# Altium PCB BGA_faser_v2.PcbDoc (part 3 of 5)
Units mil, origin at the board's own origin, x right, y up, seen from the top; angles counter-clockwise.
Board outline 2637.8 x 3937.01 mil, 6 copper layers (Top Layer, GND1, Layer 3, PWR, GND2, Bottom Layer), stack 32.112 mil thick; 367 components, 429 nets, 2041 pads, 1008 vias.
Unrouted connection lines stored in the file: 107.
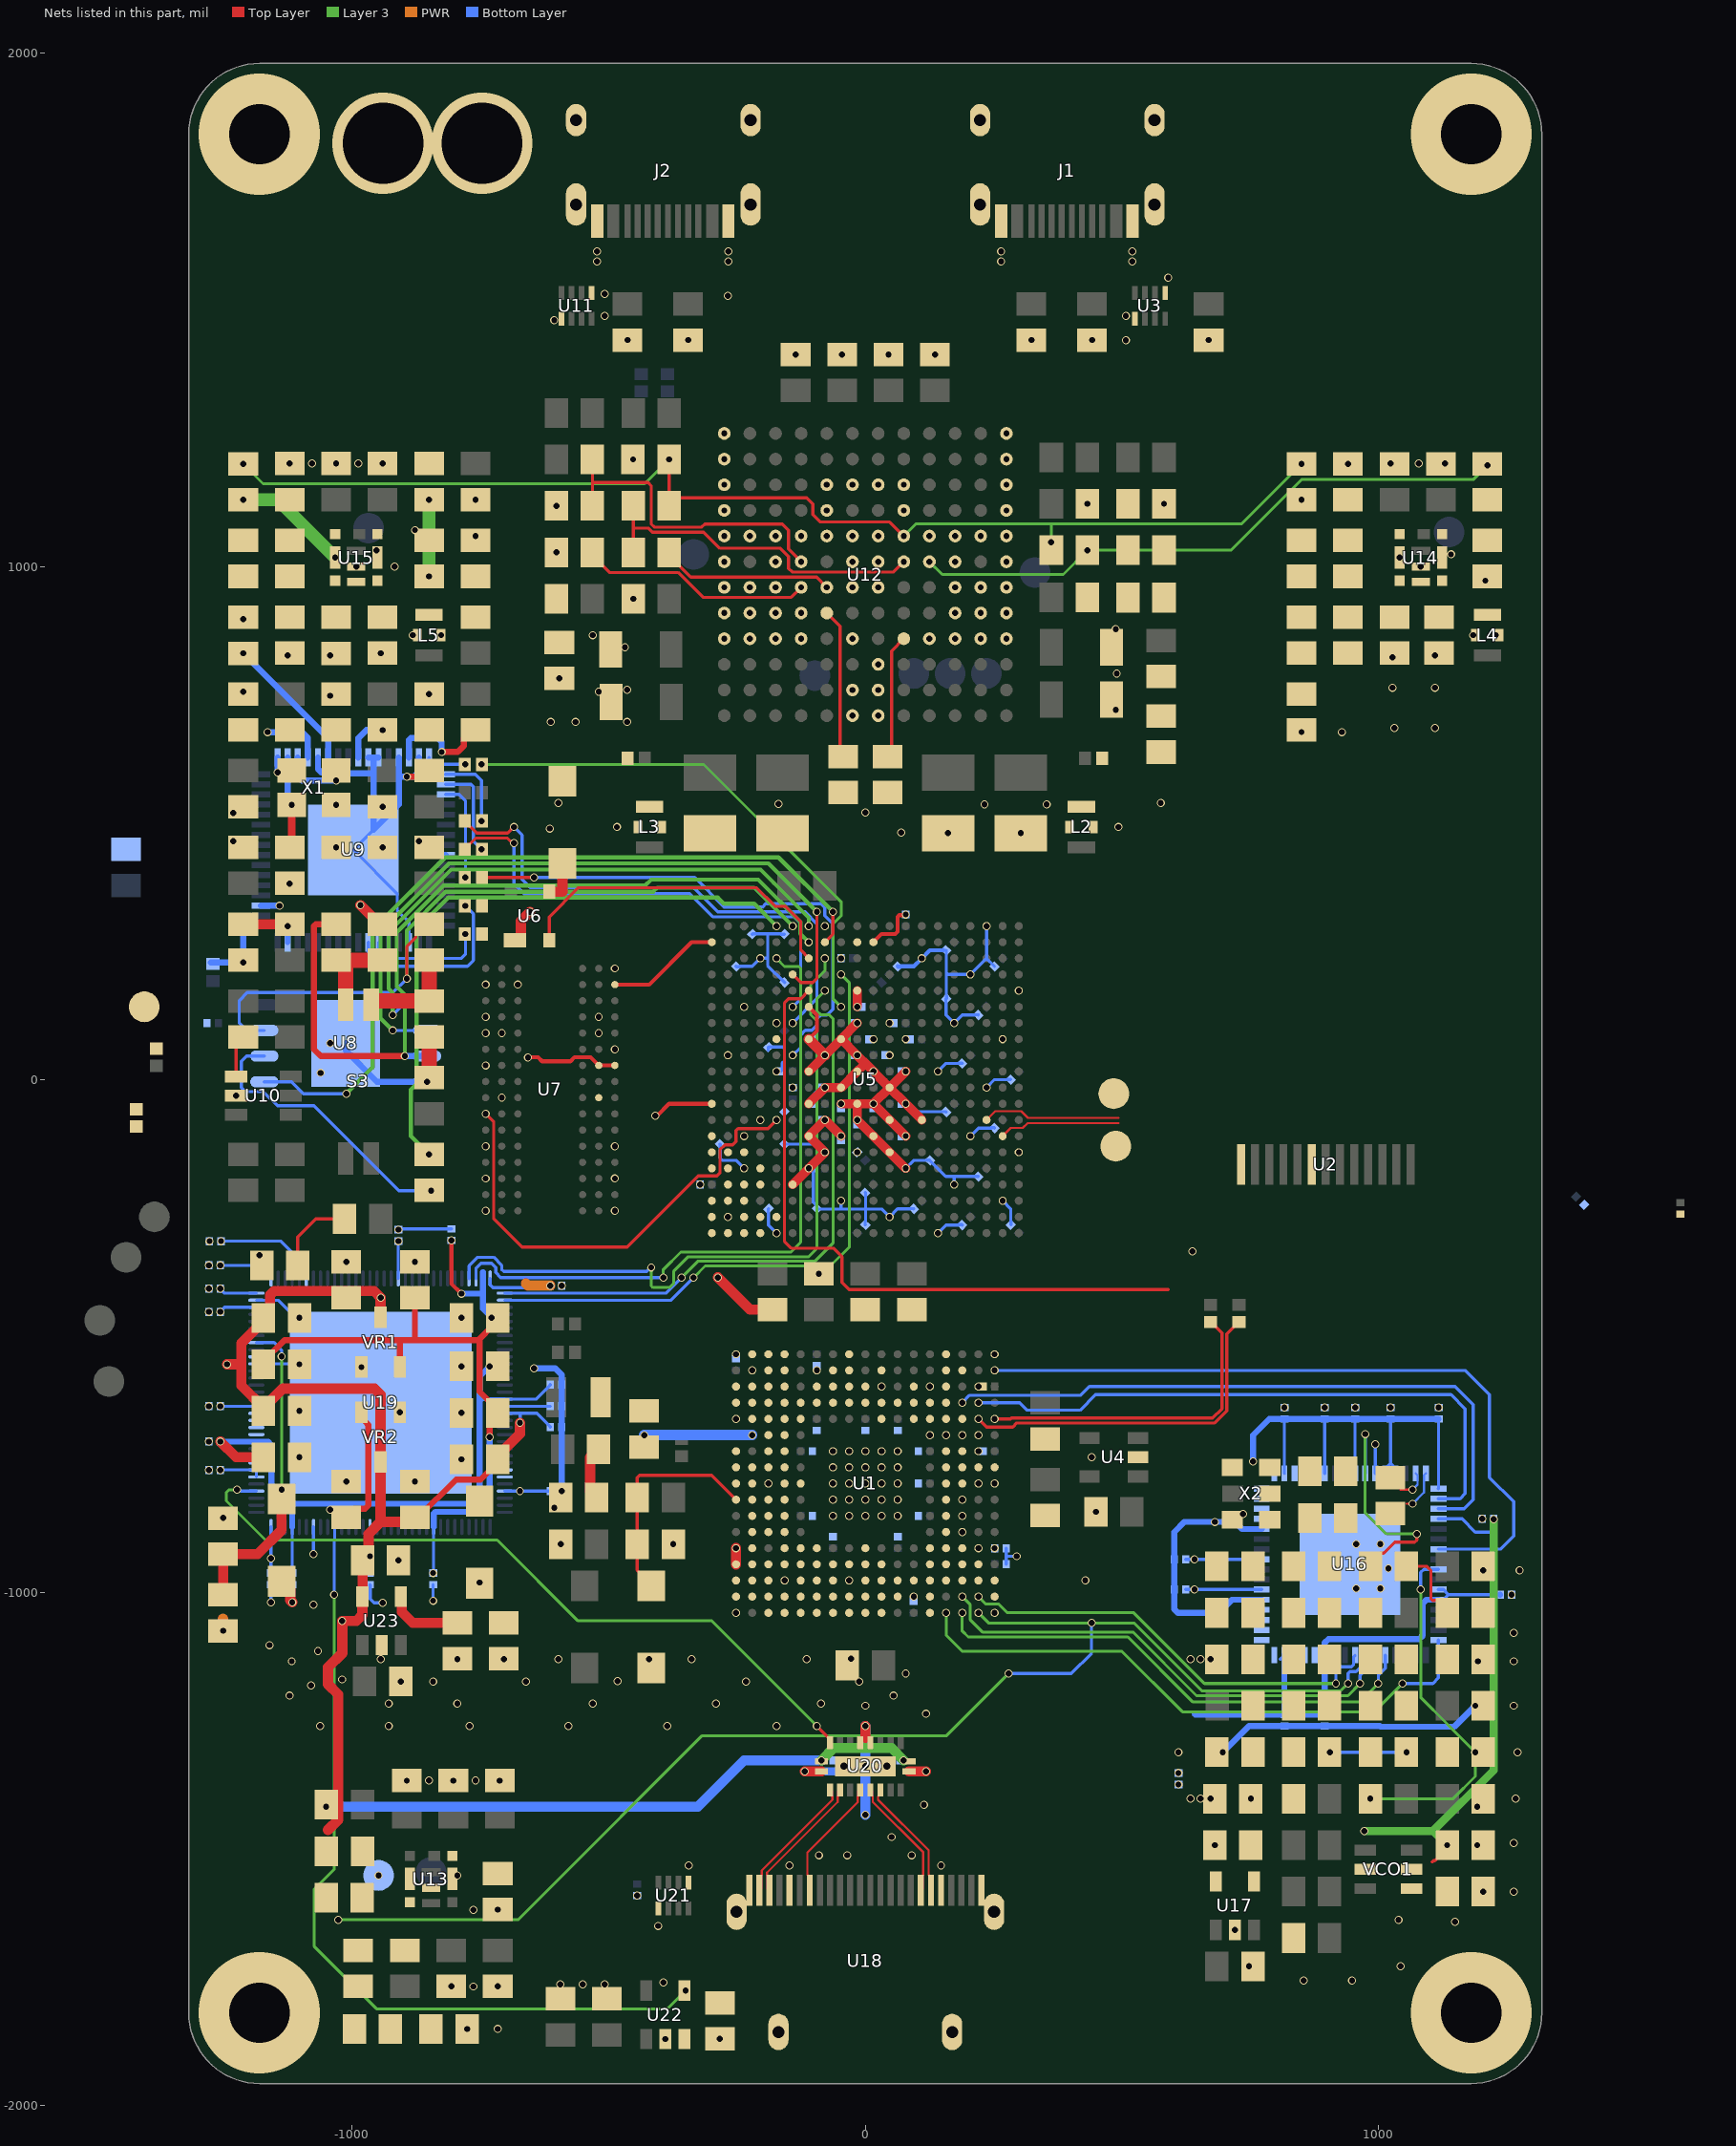
[diagram p7: the nets of this part, all layers, seen from the top]

## Via types
v1: diameter 15.75, hole 11.81, Top Layer to Bottom Layer, 1000 vias
v2: diameter 236.22, hole 118.11, Top Layer to Bottom Layer, 4 vias
v3: diameter 20, hole 14, Top Layer to Bottom Layer, tented both sides, 2 vias
v4: diameter 196.85, hole 157.48, Top Layer to Bottom Layer, 2 vias

## Nets (pads, with @x,y where several pads share a name; then routed paths per layer and width w, separated by ;. In a path a pad name is that pad's centre, name@x,y a point inside that pad or via, vN(x,y) a via of type N, cw(c..) or ccw(c..) an arc to the next point about the centre after c; other vN are vias at no path point) (continued)
GND: C1.1 C2.1 C3.1 C4.1 C5.1 C6.1 C7.1 C8.1 C9.1 C10.1 C11.1 C12.1 C13.1 C14.1 C15.1 C16.1 C19.2 C20.2 C21.2 C22.1 C23.2 C24.2 C25.2 C26.1 C27.1 C28.1 C29.1 C30.1 C31.1 C32.1 C33.1 C34.1 C35.1 C36.1 C37.1 C38.1 C39.1 C40.1 C41.1 C42.1 C43.1 C44.1 C45.1 C46.1 C47.1 C48.1 C49.1 C50.1 C51.1 C52.1 C53.1 C54.1 C55.1 C56.1 C57.1 C58.1 C59.1 C60.1 C61.1 C62.1 C63.1 C64.1 C65.1 C66.1 C67.1 C68.1 C69.1 C70.1 C71.1 C72.1 C73.1 C74.1 C75.1 C76.1 C77.1 C79.1 C80.1 C81.1 C82.1 C83.1 C84.1 C85.1 C86.1 C87.1 C88.2 C89.2 C90.1 C91.1 C92.1 C93.1 C94.1 C95.1 C96.2 C97.1 C98.2 C99.1 C100.1 C101.1 C102.1 C103.1 C104.2 C105.1 C106.1 C107.1 C108.1 C109.1 C110.1 C111.2 C112.1 C113.2 C114.1 C115.2 C116.1 C117.1 C118.1 C119.1 C120.1 C121.1 C122.1 C123.1 C124.1 C125.1 C126.1 C127.1 C128.1 C129.1 C130.1 C131.2 C132.1 C133.2 C134.1 C135.1 C136.1 C137.2 C138.1 C139.1 C140.2 C141.1 C142.1 C143.1 C144.1 C150.1 C152.1 C153.1 C154.2 C155.1 C156.2 C157.1 C158.2 C159.2 C160.1 C161.2 C162.1 C163.2 C164.2 C165.1 C166.1 C167.1 C168.2 C169.2 C170.2 C171.2 C172.1 C173.2 C174.2 C175.1 C176.1 C177.1 C178.1 C179.1 C180.1 C181.1 C182.1 C183.1 C184.1 C185.1 C186.2 C187.1 C188.1 C189.1 C190.1 FB1.2 J1.0 J1.1 J1.12 J2.0 J2.1 J2.12 L2.2 L3.2 L4.2 L5.2 L6.1 R2.1 R5.2 R6.2 R8.1 R13.1 R19.1 R20.1 R22.1 R24.1 R25.1 R28.1 R41.1 R43.1 R47.2 R48.2 R49.1 R53.1 R59.2 R60.2 R66.1 R70.2 R71.1 R73.1 R78.1 R81.2 R86.2 R93.2 R94.2 R108.1 R110.1 R112.1 R113.1 S1.1 S4.1 S5.1 U1.A1 U1.A17 U1.B2 U1.B6 U1.C10 U1.C13 U1.C16 U1.G7 U1.G8 U1.G9 U1.G10 U1.G11 U1.G16 U1.H7 U1.H8 U1.H9 U1.H10 U1.H11 U1.J3 U1.J7 U1.J8 U1.J9 U1.J10 U1.J11 U1.J16 U1.J17 U1.K7 U1.K8 U1.K9 U1.K10 U1.K11 U1.K15 U1.L7 U1.L8 U1.L9 U1.L10 U1.L11 U1.L15 U1.M15 U1.N1 U1.N16 U1.P1 U1.R4 U1.R8 U1.T12 U1.U1 U1.U17 U2.8 U2.13 U3.1 U3.5 U4.2 U5.A8 U5.A18 U5.B1 U5.B11 U5.C4 U5.C9 U5.C14 U5.D17 U5.E10 U5.E20 U5.F3 U5.F7 U5.F10 U5.G10 U5.G12 U5.G16 U5.H7 U5.H9 U5.H11 U5.H13 U5.H19 U5.J2 U5.J8 U5.J10 U5.J12 U5.K5 U5.K7 U5.K10 U5.K11 U5.K13 U5.K15 U5.L8 U5.L9 U5.L12 U5.L18 U5.M1 U5.M7 U5.M9 U5.M10 U5.M11 U5.M13 U5.N4 U5.N8 U5.N10 U5.N12 U5.N14 U5.P7 U5.P9 U5.P11 U5.P13 U5.P17 U5.R8 U5.R12 U5.R20 U5.T3 U5.T7 U5.T13 U5.U6 U5.U16 U5.V9 U5.V19 U5.W2 U5.W12 U5.Y5 U5.Y15 U6.1 U7.A9 U7.B1 U7.B3 U7.B9 U7.D1 U7.D8 U7.E1 U7.E2 U7.E8 U7.F9 U7.G1 U7.G8 U7.G9 U7.J2 U7.J8 U7.M1 U7.M9 U7.P1 U7.P9 U7.T1 U7.T9 U8.4 U8.9 U9.1 U9.5 U9.10 U9.11 U9.13 U9.15 U9.25 U9.35 U9.47 U9.51 U9.65 U10.2 U11.1 U11.5 U12.A6 U12.A7 U12.B6 U12.B7 U12.C7 U12.D1 U12.D2 U12.D3 U12.D4 U12.D6 U12.D9 U12.D10 U12.D11 U12.D12 U12.E1 U12.E2 U12.E3 U12.E4 U12.E10 U12.E11 U12.E12 U12.F1 U12.F2 U12.F3 U12.F6 U12.F7 U12.F10 U12.F11 U12.F12 U12.G1 U12.G3 U12.G6 U12.G7 U12.G10 U12.G12 U12.H1 U12.H2 U12.H3 U12.H4 U12.H5 U12.H6 U12.H7 U12.H9 U12.H10 U12.H11 U12.H12 U12.J1 U12.J5 U12.J8 U12.J12 U12.K1 U12.K5 U12.K6 U12.K7 U12.K8 U12.K12 U12.L1 U12.L12 U12.M1 U12.M12 U13.6 U13.10 U14.6 U14.10 U15.6 U15.10 U16.37 U16.44 U16.59 U16.65 U17.2 U18.0 U18.A1 U18.A12 U18.B1 U18.B12 U19.0 U19.22 U19.31 U19.122 U20.0 U20.4 U20.5 U20.10 U20.19 U21.1 U21.5 U22.2 U23.2 VCO1.2 VR1.1 VR2.1 X1.2 X1.4 X2.3 | length 7998.4
  Top Layer w6.16: C85.1@-869.69,582.68 C85.1@-850.39,601.97 ; J2.0@-563.78,1705.51 J2.0@-560.7,1702.43 ; J2.0@-226.7,1702.43 J2.0@-223.62,1705.51 ; J1.0@223.62,1705.51 J1.0@226.7,1702.43 ; J1.0@560.7,1702.43 J1.0@563.78,1705.51
  Top Layer w8: v1(-657.48,43.31) -637.8,43.31 -629.92,35.43 -574.8,35.43 -566.93,43.31 -535.44,43.31 U7.G8@-519.68,27.55 U7.G9@-488.19,27.55 ; U7.B9@-488.19,185.03 -421.27,185.03 -338.58,267.71 U5.B1@-299.21,267.71 ; v1(-409.45,-70.87) -406.3,-70.87 -382.68,-47.25 U5.M1@-299.21,-47.25 ; U5.H7@-110.24,78.74 -94.49,94.5 -94.49,125.98 U5.F7@-110.24,141.73 ; U5.B11@15.75,267.71 31.5,283.46 58.31,283.46 62.99,288.15 62.99,316.97 66.2,320.17 77.26,320.17 v1(78.74,321.65)
  Top Layer w12: v1(-893.7,590.55) -892.98,589.83 C85.1@-876.84,589.83
  Top Layer w18: U5.U6@-141.73,-204.73 v1(-110.24,-173.23) v1(-78.74,-141.74) U5.P7@-110.24,-110.24 v1(-78.74,-78.74) ; U5.M7@-110.24,-47.25 v1(-78.74,-15.75) U5.L9@-47.25,-15.75 U5.K10@-15.75,15.75 -5.49,26.01 ; U5.K7@-110.24,15.75 v1(-78.74,47.24) U5.H9@-47.25,78.73 ; v1(-78.74,-78.74) v1(-47.25,-110.24) ; v1(-47.25,-47.25) U5.M10@-15.75,-47.25 ; v1(-15.75,110.23) U5.H9@-47.25,78.74 ; v1(-15.75,141.73) U5.E10@-15.75,173.23 ; U5.P11@15.75,-110.24 v1(78.74,-173.23) ; U5.P11@15.75,-110.24 v1(-15.75,-78.74) U5.M10@-15.75,-47.25 ; v1(15.75,-47.25) U5.L12@47.24,-15.75 ; v1(78.74,-110.24) U5.N12@47.24,-78.74 v1(15.75,-47.25) U5.M10@-15.75,-47.25 ; U5.K13@78.73,15.75 U5.L12@47.24,-15.74 ; U5.N14@110.23,-78.74 v1(78.74,-47.24) U5.L12@47.24,-15.75 ; U5.H9@-47.25,78.74 v1(-15.75,47.24) 5.09,26.4 36.12,-4.63 U5.L12@47.24,-15.75
  Top Layer w20: C93.1@-1212.6,302.76 -1129.54,302.76 v1(-1125.99,299.21) ; S5.1@-1137.8,-977.76 -1121.02,-994.53 -1121.02,-1014.8 v1(-1117.13,-1018.7) ; v1(-984.25,339.96) -947.05,302.76 R20.1@-940.94,302.76 ; U6.1@-683.07,271.66 -675.2,271.66 -671.42,275.44 -671.42,308.9 v1(-653.54,326.77) ; v1(-287.4,-385.83) -224.8,-448.43 R24.1@-181.1,-448.43 ; U1.P1@-251.97,-944.88 v1(-251.97,-913.38) ; v1(-118.11,-1348.43) U20.10@-85.43,-1348.43 ; U5.H7@-110.24,78.74 v1(-78.74,47.24) ; 0,-1282.68 v1(0,-1259.84) ; U20.19@85.43,-1348.43 v1(118.11,-1348.43)
  Top Layer w30: C82.1@-850.39,3.54 R19.1@-850.39,83.07
  Bottom Layer w6.16: U19.22@-1187.01,-554.13 -1104.13,-554.13 v1(-1103.15,-555.12) ; U19.31@-1187.01,-430.12 -1144.69,-430.12 -1110.24,-464.57 v1(-1103.15,-464.57) ; U9.51@-1178.16,339.17 U9.51@-1177.87,338.88 ; v1(-1158.46,-1018.7) C155.1@-1158.46,-984.25 ; v1@-1142.03,338.88 v1(-1141.73,338.58) ; v1(-1117.13,-1018.7) C189.1@-1117.13,-984.25 ; U19.122@-1075.76,-872.07 -1075.76,-925.03 v1(-1075.59,-925.2) ; C162.1@-965.55,-984.25 -964.76,-985.04 -964.76,-1012.58 -957.66,-1019.69 v1(-940.94,-1019.69) ; -961.31,597.13 -958.67,594.49 ; U9.65@-958.67,486.8 U9.65@-998.03,447.44 -912.53,361.94 -912.53,330.04 -889.77,307.29 U9.35@-889.77,267.32 ; v1(-910.43,-292.52) -909.25,-291.34 C184.1@-807.09,-291.34 ; v1(-842.52,-1015.75) C185.1@-842.52,-984.25 ; C75.1@-283.58,-126.1 -283.03,-126.66 -283.03,-153.87 -279.42,-157.48 -251.97,-157.48 v1(-236.22,-173.23) v1@-234.39,-171.39 ; C81.1@-251.85,220.59 -251.29,220.04 -245.63,220.04 -245.07,220.59 -220.35,220.59 v1(-204.72,236.22) -204.6,236.34 -190.27,236.34 ; C79.1@-220.35,283.34 -219.79,283.9 -192.24,283.9 ; C76.1@-189.41,56.65 -189.41,62.32 C76.1@-188.86,62.87 -188.3,63.43 -161.09,63.43 -157.48,59.82 -157.48,36.42 -162.4,31.5 -162.4,17.52 C69.1@-164.17,15.75 C69.1@-164.17,16.54 ; C73.1@-188.86,-252.09 -189.41,-252.65 -189.41,-258.31 -188.86,-258.87 -188.86,-283.58 v1(-173.23,-299.21) ; R13.1@-158.16,-125.55 R13.1@-157.6,-126.1 -101.6,-126.1 -101.18,-126.53 ; C66.1@-158.16,-63.43 C66.1@-157.6,-62.87 ; C67.1@-157.6,283.58 -158.16,283.03 -163.82,283.03 -164.69,283.9 -192.24,283.9 ; C77.1@-157.36,189.1 -190.27,222.01 -190.27,236.34 ; C65.1@-101.18,-173.23 -101.18,-239.37 -94.37,-246.18 C62.1@-94.37,-251.85 -93.81,-252.41 -46.69,-252.41 ; C41.1@-101.18,-47.25 -101.18,-29.91 -87.8,-16.53 C34.1@-87.8,-15.75 ; C46.1@-101.18,78.74 -101.18,62.45 -91.8,53.08 -91.8,51.25 C29.1@-87.8,47.24 ; C32.1@-87.8,-141.74 -91.81,-137.73 -91.81,-135.9 -101.18,-126.53 ; C35.1@-87.8,-78.74 -91.81,-82.74 -91.81,-84.57 -101.18,-93.94 C33.1@-101.18,-110.24 -101.18,-126.53 ; v1(-47.24,-236.22) -47.24,-251.85 -46.69,-252.41 ; -33.46,-1348.43 -31.5,-1350.39 ; C60.1@-0.12,-220.59 0.44,-221.15 0.44,-252.41 ; C61.1@0.12,-283.34 -0.44,-282.79 -0.44,-277.12 0.44,-276.25 0.44,-252.41 ; v1(78.74,-173.23) 94.37,-157.6 119.08,-157.6 119.64,-157.04 125.31,-157.04 C56.1@125.86,-157.6 156.8,-188.54 173.23,-188.54 ; v1(78.74,-47.24) 94.05,-62.56 156.8,-62.56 C55.1@157.36,-63.11 ; C58.1@94.37,-252.09 93.81,-251.53 88.14,-251.53 87.59,-252.09 62.87,-252.09 v1(47.24,-267.72) 31.93,-252.41 0.44,-252.41 ; v1(141.73,-299.21) 157.36,-283.58 182.08,-283.58 182.63,-283.03 188.3,-283.03 C59.1@188.86,-283.58 ; v1(141.73,15.75) 157.36,31.38 182.08,31.38 182.63,31.93 188.3,31.93 C54.1@188.86,31.38 ; C44.1@157.36,251.85 157.92,251.29 157.92,207.56 ; v1(173.23,-204.72) 173.23,-188.54 ; v1(204.72,-110.24) 220.35,-94.61 245.07,-94.61 245.63,-94.05 251.29,-94.05 C70.1@251.85,-94.61 C70.1@251.97,-94.61 ; C57.1@220.35,-189.1 219.8,-188.54 173.23,-188.54 ; C53.1@220.35,125.86 219.8,126.42 214.13,126.42 213.57,125.86 188.86,125.86 v1(173.23,110.24) 157.6,125.86 157.6,150.58 157.04,151.14 157.04,156.8 C45.1@157.6,157.36 158.16,157.92 158.16,163.58 157.92,163.82 157.92,207.56 ; v1(236.22,-15.75) 251.85,-0.12 276.56,-0.12 277.12,0.44 282.79,0.44 C71.1@283.34,-0.12 ; v1(236.22,299.21) 236.22,236.22 ; C52.1@251.85,220.35 236.22,235.98 236.22,236.22 ; v1(267.72,-236.22) 283.34,-251.85 283.34,-276.56 283.9,-277.12 283.9,-282.79 C63.1@283.34,-283.34 ; C13.1@274.41,-944.88 274.41,-929.13 ; C22.1@274.41,-913.38 274.41,-929.13 ; v1(295.28,-929.14) 274.41,-929.13 ; v1@299.09,-141.74 v1(299.21,-141.74) ; U16.59@994.08,-767.72 v1(994.08,-710.62) ; -192.24,283.9 -190.27,281.93 -190.27,236.34 ; -46.69,-252.41 0.44,-252.41 ; 157.92,207.56 160.75,204.72 v1(204.72,204.72) 236.22,236.22
  Bottom Layer w8: C50.1@63.11,220.59 63.67,220.04 68.03,220.04 68.59,220.59 94.61,220.59 v1(110.24,236.22) 125.86,251.85 151.88,251.85 C44.1@152.44,252.41
  Bottom Layer w11: U9.47@-1125.99,267.32 v1(-1125.99,299.21)
  Bottom Layer w11.81: U8.9@-1012.93,70.67 -1012.93,56.71 -951.89,-4.33 v1(-854.33,-4.33) ; v1(-870.08,464.57) -870.08,444.88 -862.8,437.6 U9.25@-817.92,437.6 ; v1(-645.67,-562.99) -604.28,-562.99 -591.73,-575.54 C187.1@-591.73,-594.49 C186.2@-591.73,-636.81 C163.2@-591.73,-677.17 v1(-591.73,-802.17) ; v1(696.85,-1311.02) 748.03,-1259.84 C135.1@816.93,-1259.84 C138.1@895.67,-1259.84 1002.81,-1259.84 1004.34,-1261.37 1148.07,-1261.37 v1(1188.98,-1220.47) ; U16.37@772.64,-1013.78 714.57,-1013.78 688.98,-1039.37 609.28,-1039.37 602.36,-1032.45 C133.2@602.36,-935.04 602.36,-881.89 622.05,-862.2 v1(681.1,-862.2) 720.47,-862.2 734.24,-875.98 U16.44@772.64,-875.98
  Bottom Layer w12: U9.51@-1177.87,338.88 v1@-1142.03,338.88 ; v1(-1145.67,598.43) U9.1@-1145.68,627.56 ; U9.5@-1066.94,627.56 -1066.94,605.21 -1059.91,598.18 -1040.57,598.18 -1038.69,600.05 -1024.3,600.05 -1021.38,597.13 -961.31,597.13 ; U9.10@-968.51,627.56 -958.67,627.56 ; U9.11@-948.83,627.56 -958.67,627.56 ; U9.13@-909.46,627.56 -909.46,590.55 ; U9.15@-870.09,627.56 -870.09,600.34 -880.59,589.83 -892.98,589.83 v1(-893.7,590.55) -909.46,590.55 ; -958.67,627.56 -958.67,594.49 -958.67,486.8 -909.46,536.01 -909.46,590.55
  Bottom Layer w15.75: v1(-118.11,-1348.43) -33.46,-1348.43
  Bottom Layer w19.68: v1(0,-1433.07) U20.0@0,-1338.58 v1(0,-1259.84)
  other v1: -389.76,-1870.08 -283.46,-1869.69 -776.38,-1850.39 -716.54,-1850.39 -763.78,-1767.72 -807.09,-1767.32 -716.54,-1767.32 -594.49,-1763.78 -551.18,-1763.78 -507.87,-1763.78 -393.7,-1759.85 854.33,-1755.91 948.82,-1755.91 748.03,-1728.35 1043.31,-1728.35 720.47,-1657.48 -403.54,-1649.61 1149.61,-1641.73 1039.37,-1637.8 -763.78,-1618.11 -716.54,-1617.72 -444.88,-1590.55 1204.33,-1582.68 1263.78,-1582.68 -795.28,-1551.18 -344.49,-1531.5 -147.64,-1531.5 147.64,-1531.5 -90.55,-1511.81 -35.43,-1511.81 90.55,-1511.81 681.5,-1492.13 1192.91,-1492.13 1263.78,-1488.19 51.18,-1476.38 1192.91,-1417.32 114.17,-1413.39 751.57,-1401.57 1267.72,-1401.57 -893.7,-1366.54 -803.15,-1366.54 -712.6,-1366.54 -850.39,-1366.14 -759.84,-1366.14 610.24,-1351.57 610.24,-1311.02 1271.65,-1311.02 -1062.99,-1259.84 -929.13,-1259.84 -771.65,-1259.84 -578.74,-1259.84 -385.83,-1259.84 -173.23,-1259.84 118.11,-1236.22 0,-1220.47 1263.78,-1220.47 -929.13,-1216.54 -795.28,-1216.54 -531.5,-1216.54 -291.34,-1216.54 -86.61,-1216.54 -1122.05,-1200.79 55.12,-1200.79 -1080.71,-1181.1 -905.51,-1173.23 -842.52,-1173.23 -661.42,-1173.23 -483.19,-1172.83 -232.28,-1173.23 -11.81,-1173.23 -1019.69,-1169.29 78.74,-1157.48 -1118.11,-1133.86 1194.44,-1133.86 1263.78,-1133.86 -944.88,-1129.92 -795.28,-1129.92 -704.72,-1129.92 -598.43,-1129.92 -421.26,-1129.92 -338.58,-1129.92 -114.17,-1129.92 -27.56,-1128.63 -1066.93,-1114.17 -1161.42,-1102.36 1263.78,-1078.74 -251.97,-1039.37 251.97,-1039.37 -1075.59,-1023.62 94.49,-1007.87 1259.84,-1003.94 956.69,-992.13 1003.94,-992.13 -157.48,-976.37 -31.5,-976.37 428.74,-976.38 1204.72,-956.69 1275.59,-956.69 1019.68,-952.76 -909.84,-937.01 220.47,-913.38 -593.7,-905.51 -374.41,-905.51 956.69,-905.51 1003.94,-905.51 188.98,-881.89 1202.64,-856.3 -1251.97,-854.33 -62.99,-850.39 -31.5,-850.39 0,-850.39 31.49,-850.39 62.99,-850.39 188.98,-850.39 736.22,-846.46 449.61,-842.52 -606.3,-834.65 -62.99,-818.89 -31.5,-818.89 0,-818.89 31.49,-818.89 62.99,-818.89 188.98,-818.9 -188.98,-787.4 -62.99,-787.4 -31.5,-787.4 0,-787.4 31.49,-787.4 62.99,-787.4 220.47,-787.4 251.97,-787.4 -1011.81,-783.46 -877.95,-783.46 -1279.53,-760.83 -62.99,-755.9 -31.5,-755.9 0,-755.9 31.49,-755.9 62.99,-755.9 -787.01,-740.16 -1103.15,-736.22 440.94,-736.22 -62.99,-724.41 -31.5,-724.41 0,-724.41 31.49,-724.41 62.99,-724.41 220.47,-724.41 -1279.53,-705.71 -787.01,-649.61 -907.48,-648.23 -1103.15,-645.67 816.93,-638.98 895.67,-638.98 954.72,-638.98 1023.62,-638.98 1117.52,-638.98 -1279.53,-636.81 31.49,-598.42 125.98,-598.42 220.47,-598.42 -220.47,-566.93 -94.49,-566.93 -982.28,-560.44 -787.01,-559.06 -251.97,-535.43 251.97,-535.43 -787.01,-464.57 -1279.53,-452.76 -1279.53,-407.48 -591.73,-401.57 -90.55,-378.35 -1279.53,-362.2 -1011.81,-355.12 -877.95,-355.12 -1181.1,-342.52 637.79,-334.65 -1278.35,-314.96 -267.72,-267.72 -740.16,-255.91 -488.19,-255.9 -321.65,-204.72 -740.16,-192.91 -488.19,-192.91 -740.16,-129.92 -488.19,-129.92 -204.72,-78.74 -708.66,-35.43 -1226.38,-31.5 -1061.77,12.85 -173.23,15.75 15.75,15.75 78.74,15.75 -740.16,27.56 -267.72,47.24 47.24,47.24 -488.19,59.05 -1043.31,70.87 15.75,78.74 78.74,78.74 267.72,78.74 -740.16,90.55 -708.66,90.55 -519.69,90.55 47.24,110.24 -740.16,122.05 -519.69,122.05 -236.22,141.73 299.21,173.23 -740.16,185.04 -677.16,185.03 -488.19,216.54 -47.24,236.22 -78.74,299.21 -1122.05,381.89 -1031.5,452.36 -940.94,452.36 -1232.28,464.57 161.42,480.32 303.15,480.32 69.88,481.3 -615.16,489.17 -484.25,492.13 493.11,492.13 -1232.28,519.68 0,520.67 -940.94,531.89 -1031.49,535.35 232.28,536.42 353.35,536.42 -169.29,537.4 -598.43,539.37 575.79,539.37 850.39,677.17 929.13,677.17 1031.5,685.04 1110.24,685.04 -613.19,696.85 -564.96,696.85 -464.57,696.85 -25,709.25 25,709.25 488.19,720.47 -1043.31,748.03 -850.39,751.57 -1212.6,755.91 -519.69,755.91 -25,759.25 25,759.25 -464.57,759.84 1027.56,763.78 1110.24,763.78 -596.46,781.89 490.16,791.34 25,809.25 1027.56,822.83 -1125.98,826.77 -1043.31,826.77 1110.24,826.77 -944.88,830.71 -468.5,842.52 -275,859.25 -225,859.25 -175,859.25 -125,859.25 -25,859.25 125,859.25 175,859.25 225,859.25 275,859.25 -881.89,866.14 -826.77,866.14 -531.5,866.14 1185.04,866.14 1228.35,866.14 488.19,877.95 -1212.6,897.64 -275,909.25 -225,909.25 -175,909.25 -125,909.25 175,909.25 225,909.25 275,909.25 -452.36,937.01 -275,959.25 -225,959.25 -175,959.25 -25,959.25 25,959.25 175,959.25 225,959.25 275,959.25 1208.66,972.44 -992.13,1000 -917.32,1000 1082.68,1000 -275,1009.25 -175,1009.25 -25,1009.25 25,1009.25 175,1009.25 275,1009.25 1141.73,1023.62 -601.97,1027.56 -952.76,1031.5 -759.84,1059.06 -275,1059.25 -225,1059.25 -175,1059.25 -125,1059.25 -75,1059.25 -25,1059.25 25,1059.25 125,1059.25 175,1059.25 225,1059.25 275,1059.25 -877.95,1070.87 -275,1109.25 -75,1109.25 75,1109.25 275,1109.25 -601.97,1118.11 432.68,1122.05 582.28,1122.05 -759.84,1130.31 -275,1159.25 -75,1159.25 -25,1159.25 25,1159.25 75,1159.25 275,1159.25 940.94,1200 -1122.05,1200.79 -1078.74,1200.79 -1031.5,1200.79 -988.19,1200.79 -940.94,1200.79 1023.62,1200.79 1078.74,1200.79 1129.92,1200.79 -452.76,1208.66 -275,1209.25 275,1209.25 -275,1259.25 275,1259.25 -135.83,1412.99 -45.28,1412.99 45.28,1412.99 135.83,1412.99 -463.58,1441.34 -345.47,1441.34 323.82,1441.34 441.93,1441.34 507.87,1440.94 669.29,1441.34 -606.3,1480.31 -507.87,1488.19 507.87,1488.19 -267.72,1527.56 -507.87,1531.5 590.55,1562.99 -522.64,1594.49 -266.73,1594.49 264.76,1594.49 520.67,1594.49 -522.64,1614.17 -266.73,1614.17 264.76,1614.17 520.67,1614.17
  other v2: -1181.1,-1818.9 1181.1,-1818.9 -1181.1,1842.52 1181.1,1842.52
  other v3: -41.9,-1338.58 41.9,-1338.58
  other v4: -940.23,1824.8 -747.05,1824.8
H4BOOT: R110.2 S6.1
IF3V3EN: C109.2 U13.7
IF_1V2: C174.1 C175.2 C183.2 C187.2 C188.2 C189.2 U19.11 U19.80 U19.125 VR2.2 | length 1489.5
  Top Layer w11.81: C183.2@-1000.79,-842.52 -994.99,-836.73 -975.42,-836.73 -968.5,-829.81 -968.5,-673.23 -976.38,-665.36 -976.38,-654.13 VR2.2@-982.28,-648.23
  Top Layer w20: v1(-1257.09,-705.71) -1226.57,-736.22 C174.1@-1173.23,-736.22
  Bottom Layer w6.16: C189.2@-1117.13,-961.81 U19.125@-1117.13,-872.05 ; U19.80@-702.76,-623.03 -641.93,-623.03 -614.17,-595.28 C187.2@-614.17,-594.49
  Bottom Layer w7.87: -749.02,-623.03 U19.80@-702.76,-623.03
  Bottom Layer w11.81: v1(-1257.09,-705.71) -1164.4,-705.71 -1157.48,-712.63 -1157.48,-807.09 -1137.8,-826.77 -1117.13,-826.77 ; U19.125@-1117.13,-872.05 -1117.13,-826.77 ; -749.02,-623.03 -751.97,-625.98 ; v1(-732.28,-559.06) -751.97,-578.74 -751.97,-625.98 ; -1117.13,-826.77 -759.84,-826.77 -751.97,-818.9 -751.97,-625.98
  other v1: -1043.31,-838.58
IF_1V8: C171.1 C172.2 C173.1 C181.2 C184.2 C185.2 C186.1 U19.63 U19.81 U19.105 VR1.2 | length 1586.7
  Top Layer w8: v1(-807.09,-313.78) -807.09,-397.64 v1(-787.4,-417.32)
  Top Layer w11.81: C171.1@-1173.23,-549.02 -1132.09,-507.87 -907.48,-507.87 ; VR1.2@-907.48,-560.44 -907.48,-507.87 ; C181.2@-877.95,-425.2 -877.95,-507.87 ; v1(-732.28,-696.85) C173.1@-732.28,-664.96 ; C172.2@-727.46,-481.2 -751.97,-505.71 ; C173.1@-716.93,-649.61 -716.93,-643.5 -751.97,-608.46 -751.97,-505.71 ; -907.48,-507.87 -877.95,-507.87 ; -877.95,-507.87 -754.13,-507.87 -751.97,-505.71
  Bottom Layer w6.16: v1(-842.52,-961.81) -841.56,-960.85 U19.105@-841.56,-872.07 ; v1(-732.28,-696.85) -732.28,-644.36 -724.74,-636.81 U19.81@-702.76,-636.81 C186.1@-614.17,-636.81
  Bottom Layer w11.81: U19.105@-841.54,-872.05 -841.54,-846.13 -837.93,-842.52 -748.03,-842.52 -732.28,-826.77 v1(-732.28,-696.85) ; v1(-787.4,-417.32) v1(-787.4,-417.32) -745.08,-417.28 ; U19.63@-745.08,-375.24 U19.63@-745.08,-387.8 -745.08,-417.28 ; v1(-728.35,-464.57) -728.35,-463.5 -745.08,-446.77 -745.08,-417.28